# Altium PCB M5_Display.PcbDoc (part 1 of 2) (continued)
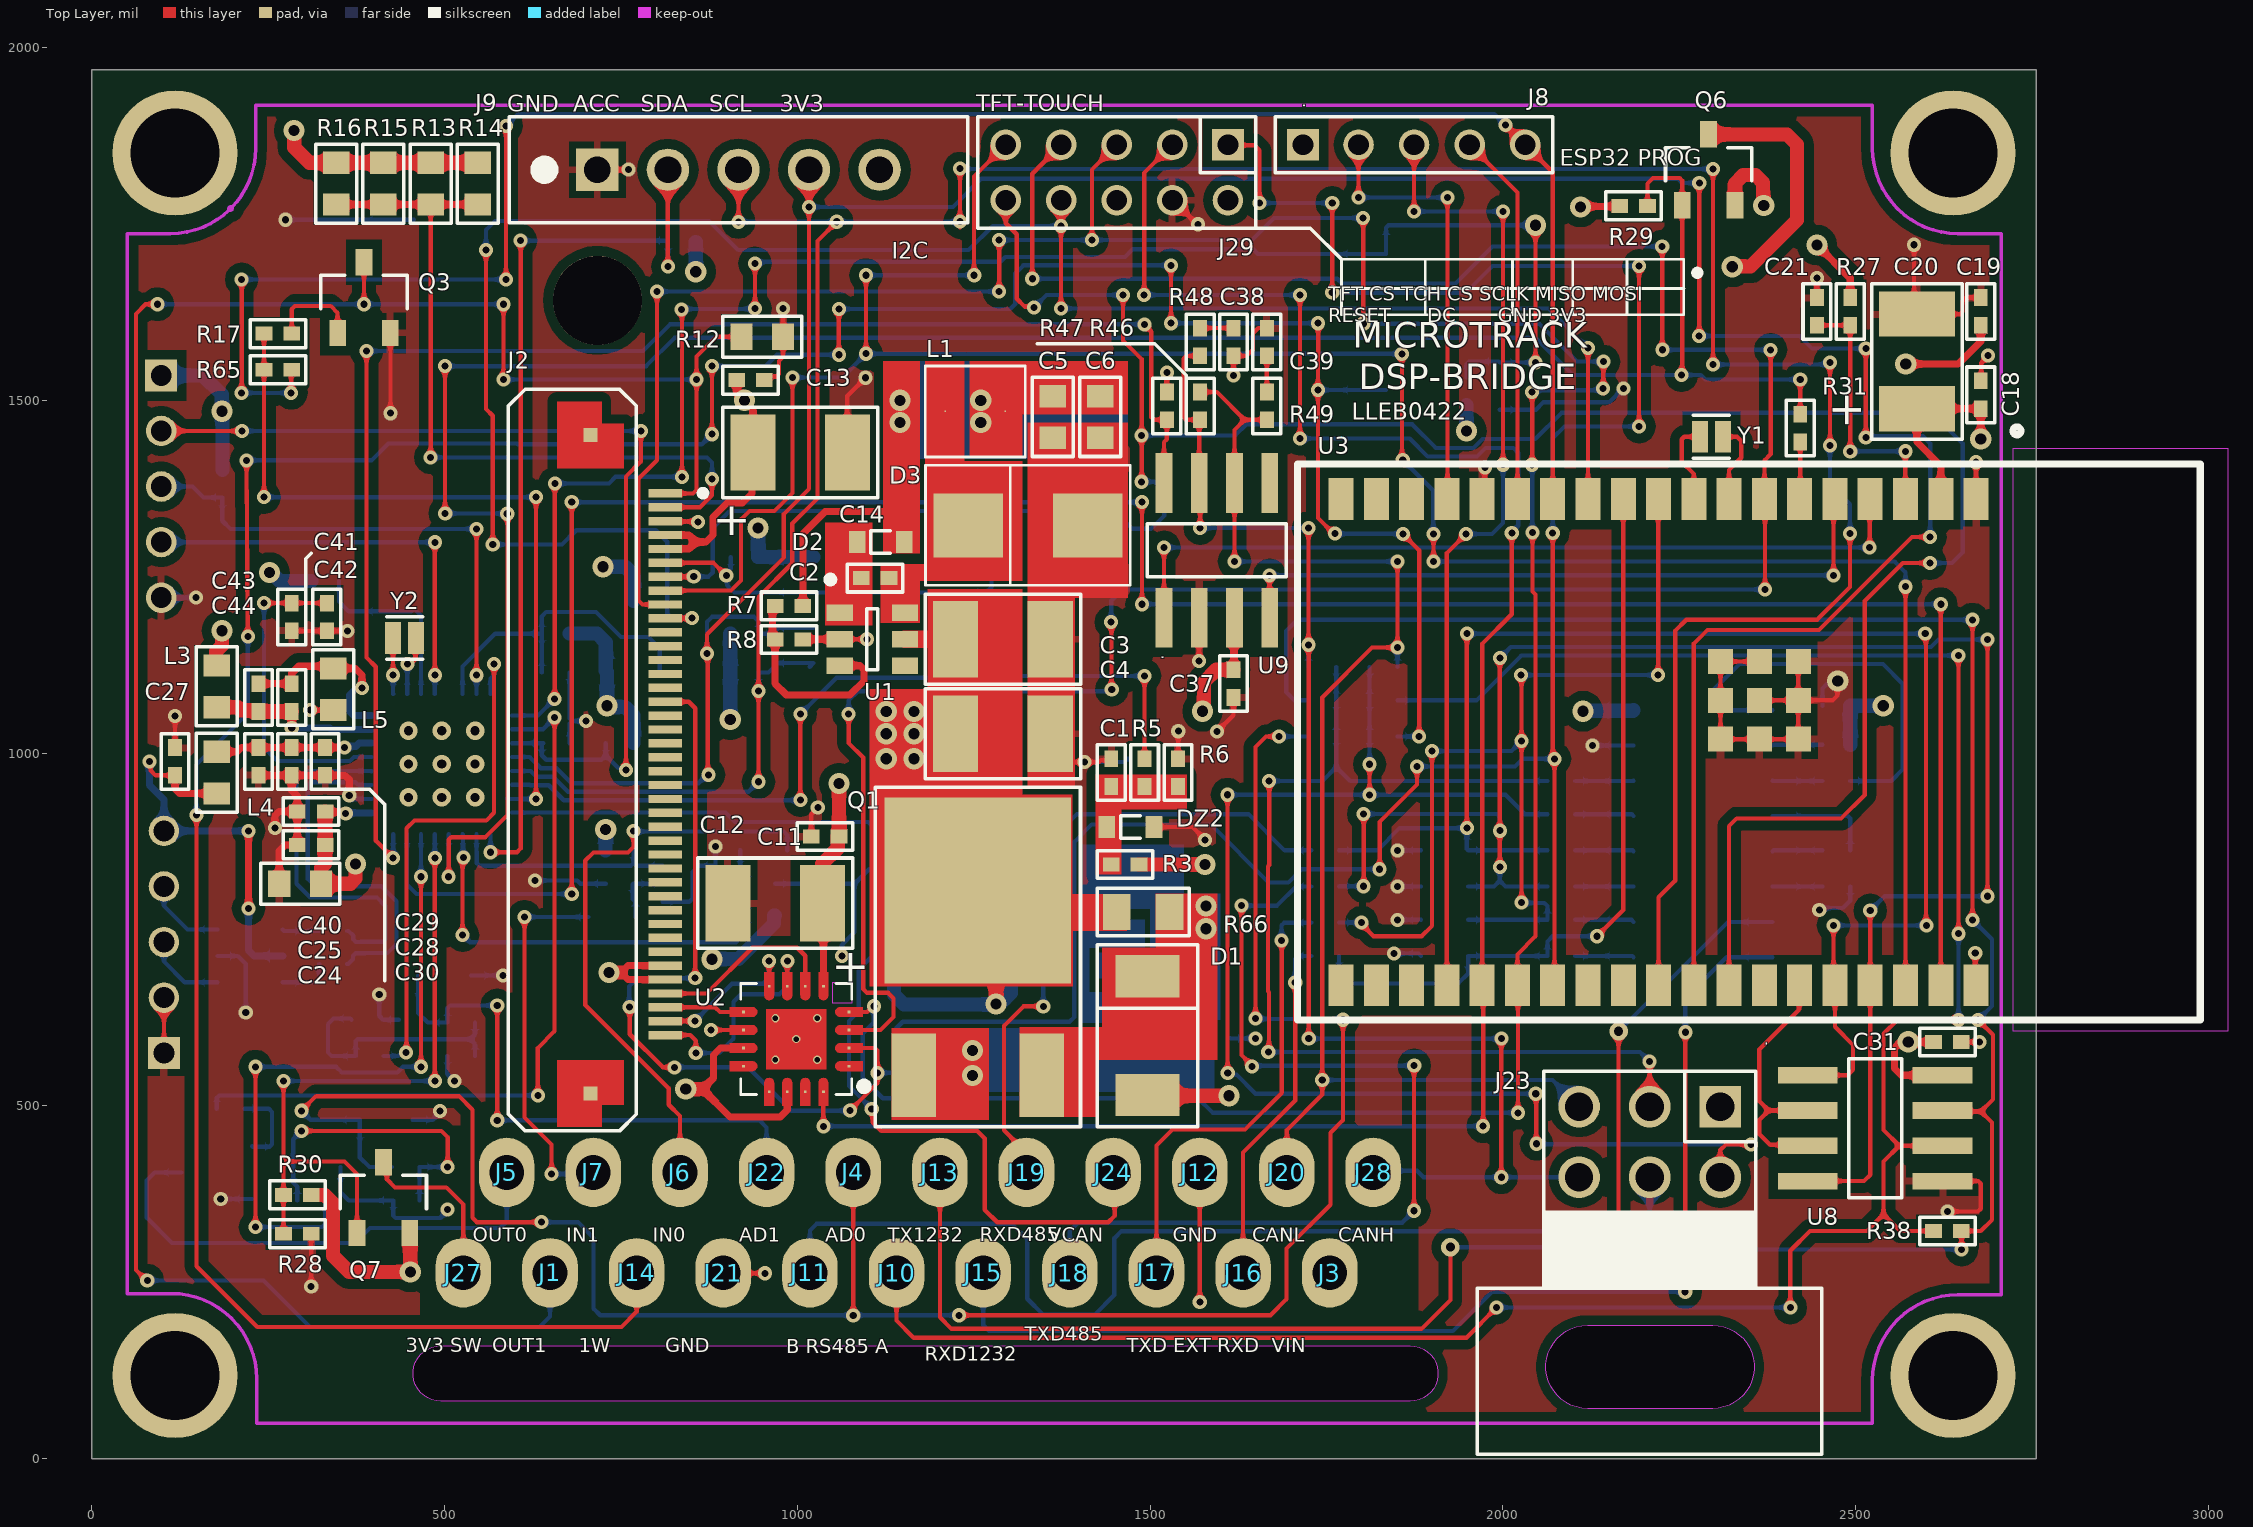
[diagram p0: Top Layer view]
## Footprints (in the part's own frame and the unit in brackets; to place one, negate y for a bottom-side part, rotate by r counter-clockwise, add the part's x,y. Pads: shape width x height; smd on the part's side, far side on the other; paste and mask are expansions set on the pad) (continued)
RGV [mm]
  rect 0.1x0.1 smd: 1(0.975,1.9) 2(0.325,1.9) 3(-0.325,1.9) 4(-0.975,1.9) 5(-1.9,0.975) 6(-1.9,0.325) 7(-1.9,-0.325) 8(-1.9,-0.975) 9(-0.975,-1.9) 10(-0.325,-1.9) 11(0.325,-1.9) 12(0.975,-1.9) 13(1.9,-0.975) 14(1.9,-0.325) 15(1.9,0.325) 16(1.9,0.975)
  Top Layer region: -1.15,-2.4 -1.15,-1.575 -1.137,-1.508 -1.099,-1.451 -1.042,-1.413 -0.975,-1.4 -0.975,-1.4 -0.908,-1.413 -0.851,-1.451 -0.813,-1.508 -0.8,-1.575 -0.8,-1.575 -0.8,-2.4
  Top Layer region: -0.5,-2.4 -0.5,-1.575 -0.487,-1.508 -0.449,-1.451 -0.392,-1.413 -0.325,-1.4 -0.325,-1.4 -0.258,-1.413 -0.201,-1.451 -0.163,-1.508 -0.15,-1.575 -0.15,-1.575 -0.15,-2.4
  Top Layer region: 0.5,-2.4 0.5,-1.575 0.487,-1.508 0.449,-1.451 0.392,-1.413 0.325,-1.4 0.325,-1.4 0.258,-1.413 0.201,-1.451 0.163,-1.508 0.15,-1.575 0.15,-1.575 0.15,-2.4
  Top Layer region: 1.15,-2.4 1.15,-1.575 1.137,-1.508 1.099,-1.451 1.042,-1.413 0.975,-1.4 0.975,-1.4 0.908,-1.413 0.851,-1.451 0.813,-1.508 0.8,-1.575 0.8,-1.575 0.8,-2.4
  Top Layer region: -1.15,2.4 -1.15,1.575 -1.137,1.508 -1.099,1.451 -1.042,1.413 -0.975,1.4 -0.975,1.4 -0.908,1.413 -0.851,1.451 -0.813,1.508 -0.8,1.575 -0.8,1.575 -0.8,2.4
  Top Layer region: -0.5,2.4 -0.5,1.575 -0.487,1.508 -0.449,1.451 -0.392,1.413 -0.325,1.4 -0.325,1.4 -0.258,1.413 -0.201,1.451 -0.163,1.508 -0.15,1.575 -0.15,1.575 -0.15,2.4
  Top Layer region: 0.5,2.4 0.5,1.575 0.487,1.508 0.449,1.451 0.392,1.413 0.325,1.4 0.325,1.4 0.258,1.413 0.201,1.451 0.163,1.508 0.15,1.575 0.15,1.575 0.15,2.4
  Top Layer region: 1.15,2.4 1.15,1.575 1.137,1.508 1.099,1.451 1.042,1.413 0.975,1.4 0.975,1.4 0.908,1.413 0.851,1.451 0.813,1.508 0.8,1.575 0.8,1.575 0.8,2.4
  Top Layer region: -2.4,-1.15 -1.575,-1.15 -1.508,-1.137 -1.451,-1.099 -1.413,-1.042 -1.4,-0.975 -1.4,-0.975 -1.413,-0.908 -1.451,-0.851 -1.508,-0.813 -1.575,-0.8 -1.575,-0.8 -2.4,-0.8
  Top Layer region: -2.4,-0.5 -1.575,-0.5 -1.508,-0.487 -1.451,-0.449 -1.413,-0.392 -1.4,-0.325 -1.4,-0.325 -1.413,-0.258 -1.451,-0.201 -1.508,-0.163 -1.575,-0.15 -1.575,-0.15 -2.4,-0.15
  Top Layer region: -2.4,0.5 -1.575,0.5 -1.508,0.487 -1.451,0.449 -1.413,0.392 -1.4,0.325 -1.4,0.325 -1.413,0.258 -1.451,0.201 -1.508,0.163 -1.575,0.15 -1.575,0.15 -2.4,0.15
  Top Layer region: -2.4,1.15 -1.575,1.15 -1.508,1.137 -1.451,1.099 -1.413,1.042 -1.4,0.975 -1.4,0.975 -1.413,0.908 -1.451,0.851 -1.508,0.813 -1.575,0.8 -1.575,0.8 -2.4,0.8
  Top Layer region: 2.4,1.15 1.575,1.15 1.508,1.137 1.451,1.099 1.413,1.042 1.4,0.975 1.4,0.975 1.413,0.908 1.451,0.851 1.508,0.813 1.575,0.8 1.575,0.8 2.4,0.8
  Top Layer region: 2.4,0.5 1.575,0.5 1.508,0.487 1.451,0.449 1.413,0.392 1.4,0.325 1.4,0.325 1.413,0.258 1.451,0.201 1.508,0.163 1.575,0.15 1.575,0.15 2.4,0.15
  Top Layer region: 2.4,-0.5 1.575,-0.5 1.508,-0.487 1.451,-0.449 1.413,-0.392 1.4,-0.325 1.4,-0.325 1.413,-0.258 1.451,-0.201 1.508,-0.163 1.575,-0.15 1.575,-0.15 2.4,-0.15
  Top Layer region: 2.4,-1.15 1.575,-1.15 1.508,-1.137 1.451,-1.099 1.413,-1.042 1.4,-0.975 1.4,-0.975 1.413,-0.908 1.451,-0.851 1.508,-0.813 1.575,-0.8 1.575,-0.8 2.4,-0.8
  Top Layer region: -1.08,1.08 1.08,1.08 1.08,-1.08 -1.08,-1.08
  Keep-Out Layer region: -2.02,1.3 -1.3,1.3 -1.3,2.02 -2.02,2.02
  silkscreen extent -2,-2 2,2.57, body extent -2,-2 2,2, height 1
SIP3_2_90 [mm]
  rect 1.5x1.5 hole 1.016: 1(5.08,2.54)
  round 1.5 hole 1.016: 2(5.08,0) 3(2.54,2.54) 4(2.54,0) 5(0,2.54) 6(0,0)
  silkscreen extent -3.66,-9.97 8.74,3.81, body extent -1.27,-9.91 6.35,2.97, height 5.1
SIP5 [mil]
  rect 60x60 hole 38: 1(0,0)
  round 60 hole 38: 2(100,0) 3(200,0) 4(300,0) 5(400,0)
  silkscreen extent -125,-75 525,75, body extent -50,-50 450,50, height 330
SIP5_2_MM [mm]
  rect 1.15x1.15 hole 0.75: 1(0,0)
  round 1.1 hole 0.75: 2(0,2) 3(2,0) 4(2,2) 5(4,0) 6(4,2) 7(6,0) 8(6,2) 9(8,0) 10(8,2)
  silkscreen extent -1,-1 9,3, body extent -1.01,-0.99 8.99,2.96, height 6
SIP5_MM [mm]
  rect 1.15x1.15 hole 0.75: 1(0,0)
  round 1.1 hole 0.75: 2(2,0) 3(4,0) 4(6,0) 5(8,0)
  silkscreen extent -1,-1 9,1, body extent -0.96,-1.01 8.93,0.99, height 6
SMB [mm]
  rect 2.5x2.3 smd: 1(-2.15,0) 2(2.15,0)
  silkscreen extent -3.68,-2.16 3.68,2.16, body extent -2.8,-1.97 2.8,1.97, height 2.45
SMBK [mm]
  rect 1.52x2.3 smd: 1(0,0) 2(4.27,0)
  silkscreen extent -1.14,-1.81 5.41,1.81, body extent -0.56,-1.8 4.84,1.8, height 2.3
SO8 [mm]
  rect 2.15x0.6 smd: 1(-2.425,1.905) 2(-2.425,0.635) 3(-2.425,-0.635) 4(-2.425,-1.905) 5(2.425,-1.905) 6(2.425,-0.635) 7(2.425,0.635) 8(2.425,1.905)
  silkscreen extent -0.95,-2.5 0.95,2.5, body extent -3.01,-2.51 3.01,2.49, height 1.75
SOD523 [mm]
  rect 0.6x0.8 smd: 1(-0.85,0) 2(0.85,0)
  silkscreen extent -0.35,-0.4 0.35,0.4, body extent -0.91,-0.42 0.92,0.43, height 0.71
SOIC16N [mm]
  rect 1.75x0.6 smd: 1(-2.5,4.445) 2(-2.5,3.175) 3(-2.5,1.905) 4(-2.5,0.635) 5(-2.5,-0.635) 6(-2.5,-1.905) 7(-2.5,-3.175) 8(-2.5,-4.445) 9(2.5,-4.445) 10(2.5,-3.175) 11(2.5,-1.905) 12(2.5,-0.635) 13(2.5,0.635) 14(2.5,1.905) 15(2.5,3.175) 16(2.5,4.445)
  silkscreen extent -1.23,-5.2 1.22,5.2, body extent -2.92,-4.9 2.88,4.9, height 1.75
SOT23 [mm]
  rect 0.6x0.95 smd: 1(-0.95,-1.275) 2(0,1.275) 3(0.95,-1.275)
  silkscreen extent -1.55,-0.4 1.55,0.8, body extent -1.48,-1.53 1.52,1.61, height 1
SOT23-6 [mm]
  rect 0.6x0.95 smd: 1(-0.95,-1.175) 2(0,-1.175) 3(0.95,-1.175) 4(0.95,1.175) 5(0,1.175) 6(-0.95,1.175)
  silkscreen extent -1.1,-0.2 1.1,0.2, body extent -1.52,-1.52 1.53,1.48, height 1.3
SOT363 [mm]
  rect 0.42x0.6 smd mask+0.051: 1(-0.65,-0.95) 2(0,-0.95) 3(0.65,-0.95) 4(0.65,0.95) 5(0,0.95) 6(-0.65,0.95)
  silkscreen extent -0.87,-0.2 0.87,0.2, body extent -1.04,-1.15 1.06,1.15, height 1
WROVER-E [mm] "WROVER-E"
  rect 1.5x0.9 smd: 1(-8.75,11.43) 2(-8.75,10.16) 3(-8.75,8.89) 4(-8.75,7.62) 5(-8.75,6.35) 6(-8.75,5.08) 7(-8.75,3.81) 8(-8.75,2.54) 9(-8.75,1.27) 10(-8.75,0) 11(-8.75,-1.27) 12(-8.75,-2.54) 13(-8.75,-3.81) 14(-8.75,-5.08) 15(-8.75,-6.35) 16(-8.75,-7.62) 17(-8.75,-8.89) 18(-8.75,-10.16) 19(-8.75,-11.43) 20(8.75,-11.43) 21(8.75,-10.16) 22(8.75,-8.89) 23(8.75,-7.62) 24(8.75,-6.35) 25(8.75,-5.08) 26(8.75,-3.81) 27(8.75,-2.54) 28(8.75,-1.27) 29(8.75,0) 30(8.75,1.27) 31(8.75,2.54) 32(8.75,3.81) 33(8.75,5.08) 34(8.75,6.35) 35(8.75,7.62) 36(8.75,8.89) 37(8.75,10.16) 38(8.75,11.43)
  rect 0.9x0.9 smd: 1(-2.9,5.03) 1(-2.9,3.63) 1(-2.9,2.23) 1(-1.5,5.03) 1(-1.5,3.63) 1(-1.5,2.23) 1(-0.1,5.03) 1(-0.1,3.63) 1(-0.1,2.23)
  silkscreen extent -11.34,-13 10,19.5, body extent -9,-12.53 9,18.87, height 3.65

## Part data
BAT1: library part BAT_CR1025SM_HORIZONTAL_SOLDABLE, "BATTERY LITHIUM 3V COIN 10MM"
C1 C16 C17 C18 C26 C27 C31 C32 C33 C34 C35 C36 C37 C40 C41 C44 C45: library part CAP0402_100nF_50V_X7R, "CAP0402 100nF 50V X7R"
C2: library part CAP0402_0.1uF_16V_X5R, "CAP CER 0.1UF 16V 10% X7R 0402"
C3 C4: library part CAP1210_10uF_63V_X7R, "CAP CER 10UF 63V X7R 1210"
C5 C6: library part CAP0603_10uF_10V_X7R, "CAP0603 10uF 10V X7R"
C7 C11 C13 C15 C19 C21: library part CAP0402_1uF_6V3_X7R, "CAP0402 1uF 6V3 X7R"
C12 C14 C20: library part CAP_TAN_100uF_10V_1210, "CAP TANT 100UF 10V 20% 1210"
C24: library part CAP0603_10uF_6.3V_Y5V, "CAP0603 10uF 6.3V Y5V"
C25: library part CAP0402_1uF_6V3_X5R, "CAP0402 1uF 6V3 X5R"
C28: library part CAP0402_8.2pF_NP0, "CAP0402 8.2pF 50V NP0"
C29: library part CAP0402_27pF_NP0, "CAP0402 27pF 50V NP0"
C30: library part CAP0402_33pF_NP0, "CAP CER 33PF 50V 5% NP0 0402"
C38 C39: library part CAP0402_560pF_NP0, "CAP0402 560pF 50V NP0"
C42: library part CAP0402_2.2uF_6V3_X5R, "CAP0402 2.2uF 6V3 X5R"
C43: library part CAP0402_10nF_X7R, "CAP0402 10nF 50V X7R"
D1: library part DIO_STKY_STPS3L60U, "DIODE SCHOTTKY 3A 60V SMB"
D2: library part 1N4148_SOD523, "DIODE SWITCHING 80V 125MA SOD523"
D3: library part DIO_STKY_B1100_SMB, "DIODE SCHOTTKY 100V 1A SMB"
D5: library part USBLC6-2_SOT23-6, "VERY LOW CAPACITANCE ESD 2 LINES PROTECTION"
DZ1: library part DIO_ZEN_30V_DO-214AC, "DIODE ZENER 30V 2W DO214AC"
DZ2 DZ3 DZ4 DZ7 DZ8 DZ9 DZ10 DZ11: library part DIO_ZEN_3V6_SOD523, "DIODE ZENER 3.6V 150MW SSMINI2 SOD523"
DZ5 DZ6: library part DIO_ZEN_5V1_200mW_SOD523, "DIODE ZENER 5.1V 200MW SOD523F"
J1 J3 J4 J5 J6 J7 J10 J11 J12 J13 J14 J15 J16 J17 J18 J19 J20 J21 J22 J24 J27 J28: library part PIN_1_CABLE_1mm, "PIN PARA SOLDAR CABLE 1MM"
J2: library part FPC_40POS__BOT_0.5MM_AMPH, "CONN FPC BOTTOM 40POS 0.5MM"
J8 J25 J26: library part HEADER_5POS_2MM, "PIN HEADER 2.00mm 5POS"
J9: "TIRA DE PINES 1X5 0.1\""
J23: "TIRA PINES MACHO 2X3 0,1'' 90º"
J29: library part HEADER_2x5POS_2MM, "TIRA DE PINES 2X5 2MM"
L1: library part IND_PWR_15uH, "FIXED IND 15UH 590MA 700MOHM SMD"
L3 L5: library part IND0603_100@100MHz, "FERRITE CHIP 100 OHM 1A 0603"
L4: library part IND0603_100_2A@100MHz, "FERRITE CHIP 100 OHM 2A 0603"
Q1: library part IRFR9220_DPAK, "MOSFET P-CH 200V 3.6A DPAK"
Q2: library part BC807_SOT23, "TRANSISTOR PNP 500MA 45V SOT323"
Q3 Q4 Q9: library part FDN337N_SOT23, "MOSFET N-CH 30V 2.2A SSOT3"
Q5: library part DDC115EU-7-F_SOT363, "TRANS BRT NPN DUAL 50V SOT-363 Rb=100K Rbe=100K"
Q6 Q7 Q8 Q10: library part FDN360P_SOT23, "MOSFET P 30V 2A SSOT3"
R1: library part RES0402_10K_5%, "RES0402 10K 5%"
R2 R24 R25 R63 R64: library part RES0402_4K7_5%, "RES0402 4K7 5%"
R3 R52 R55: library part RES0402_100K_1%, "RES0402 100K 1%"
R4 R29 R30 R32 R62: library part RES0402_100K_5%, "RES0402 100K 5%"
R5 R10 R21 R27: library part RES0402_1K_5%, "RES0402 1K 5%"
R6 R8 R9 R17 R20 R23 R26 R33 R34 R57: library part RES0402_10K_1%, "RES0402 10K 1%"
R7: library part RES0402_31K6_1%, "RES0402 31K6 1%"
R11 R22: library part RES0805_DNP, "RES0805 DNP"
R12 R13 R14 R15 R16: library part RES0603_10R_5%, "RES0603 10R 5%"
R18: library part RES0402_5K6_1%, "RES0402 5K6 1%"
R19: library part RES2010_470R_1W_5%, "RES2010 470R 1W 5%"
R28 R31 R35 R36 R61 R65: library part RES0402_33R_5%, "RES0402 33R 5%"
R37 R38 R39 R40 R41 R42 R43 R44 R45 R47 R48 R49 R50 R51 R53 R54 R56 R58 R59 R60: library part RES0402_100R_5%, "RES0402 100R 5%"
R46: library part RES0402_120R_5%, "RES0402 120R 5%"
R66: library part RES0805_0R_5%, "RES0805 0R 5%"
U1: library part MCP16331_SOT23-6, "IC REG BUCK ADJ 500MA SOT23-6"
U2: library part TSC2046_QFN16EP, "IC SCREEN CNTRL 12BIT 16QFN"
U3: "RX TXRX MOD WIFI PCB TRACE SMD"
U4: "IC MCU 32BIT 128KB FLASH 32QFN"
U5: library part FM24CL64B_SO8, "IC FRAM 64KBIT 1MHZ SRL 8SOIC"
U7: library part ST3232_SOIC16N, "IC DRVR/RCVR RS232 ESD 16-SOIC"
U8: library part ST3485_SO8, "IC TXRX 3.3V RS485/422 8 SOIC"
U9: library part SN65HVD231_SO8, "IC CAN TRANSCEIVER W/ SLEEP MODE 3.3V 8-SOIC"
Y1 Y2: library part XTAL_32768_XC2282CT, "CRYSTAL 32.768KHZ 12.5PF SMD"

## Free pads (board coordinates)
  round 177.17 hole 125.98: 0(118.11,118.11) 0(118.11,1850.39) 0(2637.8,118.11) 0(2637.8,1850.39)
  round 125.98 hole 125.98: 0(716.54,1641.73)

## Via types
v1: diameter 20, hole 10, Top Layer to Bottom Layer, tented both sides, 313 vias
v2: diameter 30, hole 15.8, Top Layer to Bottom Layer, tented both sides, 47 vias
v3: diameter 25.98, hole 12.99, Top Layer to Bottom Layer, tented both sides, 9 vias
v4: diameter 11.81, hole 7.87, Top Layer to Bottom Layer, tented both sides, 5 vias
v5: diameter 26, hole 13, Top Layer to Bottom Layer, tented both sides, 3 vias

## Nets (pads, with @x,y where several pads share a name; then routed paths per layer and width w, separated by ;. In a path a pad name is that pad's centre, name@x,y a point inside that pad or via, vN(x,y) a via of type N, cw(c..) or ccw(c..) an arc to the next point about the centre after c; other vN are vias at no path point)
1WP: J14.1 R19.2 R54.2 | length 4563.4
  Top Layer w6: v1(148.47,912.49) 148.47,272.79 234.52,186.74 750.72,186.74 772.26,208.27 J14.1@772.26,263.58 J14.1@772.26,264.82 ; v1(219.41,1414.93) v1(221.25,1165.5) ; v1(878.86,1451.98) v1(878.86,1548.5) ; v1(1058.8,1564.58) v1(1058.8,1629.28) ; v1(1529.32,1691.28) 1529.43,1691.17 1529.43,1609.39 v1(1529.54,1609.27) ; v1(1738.08,1609.27) 1738.08,1565.39 1737.68,1564.99 v1(1737.68,1514.63) 1737.68,1333.06 1759.52,1311.21 v1(1761.96,1311.21) ; v1(1858.48,1310.34) 1881.22,1287.6 v1(1881.22,1023.62)
  Bottom Layer w6: v1(148.47,912.49) 148.47,984.04 221.25,1056.82 v1(221.25,1165.5) ; v1(219.41,1414.93) 396.46,1414.93 420.21,1438.68 602.57,1438.68 603.65,1437.61 864.49,1437.61 v1(878.86,1451.98) ; v1(878.86,1548.5) 955.14,1548.5 971.22,1564.58 v1(1058.8,1564.58) v1@1058.89,1564.58 ; v1(1058.8,1629.28) 1301.75,1629.28 1308.89,1636.42 1308.89,1679.9 1320.27,1691.28 v1(1529.32,1691.28) ; v1(1529.54,1609.27) v1(1738.08,1609.27) ; v1(1737.68,1514.63) R19.2@1834.41,1514.63 ; v1(1761.96,1311.21) 1762.39,1310.78 1858.04,1310.78 v1(1858.48,1310.34) ; R54.2@1850.39,1023.62 v1(1881.22,1023.62)
3V3: C5.1 C6.1 C11.1 C12.1 C13.1 C14.1 C24.1 C25.1 C26.2 C40.1 D2.1 J2.4 J2.5 J2.35 J2.36 J26.1 J29.2 L1.2 L3.2 Q6.3 Q7.3 Q10.3 R7.2 R13.1 R14.1 R15.1 R16.1 R29.2 R30.2 R32.2 R33.2 R34.2 R63.2 R64.2 U2.5 U2.11 U2.14 U4.1 U5.8 | length 9100.5
  Top Layer w10: C40.1@330.71,917.32 331.69,916.34 355.11,916.34 357.23,914.22 v1(359.94,914.22) ; 749.95,689.28 753.98,689.28 754.29,688.98 ; J2.36@812.99,679.13 760.15,679.13 754.29,684.99 754.29,688.98 ; J2.35@812.99,698.82 760.15,698.82 754.29,692.96 754.29,688.98 ; J2.5@812.99,1289.37 846.46,1289.37 856.3,1299.21 ; J2.4@812.99,1309.05 846.46,1309.05 856.3,1299.21 ; 857.72,523.93 865.42,523.93 ; C13.1@913.9,1528.54 913.9,1509.44 937.22,1486.12 937.22,1429.1 935.93,1427.82 935.93,1367.99 922.49,1354.54 900.27,1354.54 880.34,1334.61 880.34,1308.95 870.6,1299.21 856.3,1299.21 ; U2.11@923.67,582 891.14,582 881.34,572.21 881.34,539.86 865.42,523.93 ; U2.14@985.67,519.99 985.67,494.4 975.83,484.56 904.79,484.56 865.42,523.93 ; R7.2@1007.87,1208.66 1007.87,1310.83 1039.56,1342.52 1129.92,1342.52 ; C12.1@1034.89,788.02 C12.1@1035.5,787.4 1036.85,786.05 U2.5@1036.85,669.6 ; v2(2109.69,1774.2) 2110.38,1774.9 2164.66,1774.9 R29.2@2165.35,1775.59 ; Q6.3@2328.74,1776.57 Q6.3@2329.42,1775.9
  Top Layer w20: L3.2@177.17,1124.02 176.08,1125.11 176.08,1143.91 184.49,1152.32 v2(184.49,1173.54) ; v2(286.85,1882.2) 286.85,1858.58 308.82,1836.61 R16.1@346.46,1836.61 R15.1@413.39,1836.61 R13.1@480.31,1836.61 R14.1@547.24,1836.61 ; R30.2@311.02,374.02 330.26,374.02 341.97,362.3 341.97,287.71 364.88,264.8 v2(451.5,264.8) 451.5,319.17 Q7.3@450.79,319.88 ; C24.1@324.8,812.68 324.8,837.29 330.71,843.2 C25.1@330.71,870.08 C40.1@330.71,917.32 ; C24.1@324.8,814.96 366.52,814.96 373.69,822.13 v2(373.69,842.99) ; v2(733.05,689.2) 732.97,689.28 749.95,689.28 ; v2(841.79,523.93) 865.42,523.93 ; C12.1@1034.89,788.02 1034.89,842.83 1057.24,865.18 1057.24,881.73 1057.4,881.89 C11.1@1059.06,881.89 v2(1059.06,957) ; Q6.3@2328.74,1776.57 2328.74,1807.49 2340.46,1819.2 2357.82,1819.2 2368.74,1808.28 2368.74,1776.69 v2(2369.53,1775.9)
  PWRS w20: v2(286.85,1882.2) 487.64,1882.2 530.95,1838.89 530.95,1631.91 ; v2(373.69,842.99) 196.21,842.99 184.49,854.71 v2(184.49,1173.54) v2(184.49,1484.56) 383.6,1484.56 530.95,1631.91 ; 392.72,841.08 451.5,782.3 536.7,782.3 ; v2(451.5,264.8) 451.5,412.45 618.53,579.48 684.06,579.48 739.61,523.93 v2(841.79,523.93) ; v2(730.31,1067.24) 730.31,1004.44 ; 733.05,530.49 v2(733.05,689.2) 629.79,689.2 536.7,782.3 ; v2(944.33,1319.2) 944.33,1208.5 904.96,1169.13 v2(904.96,1047.55) 904.96,1004.44 ; v2(1059.06,957) 1059.06,992.72 1047.34,1004.44 904.96,1004.44 ; v2(1145.67,1500) 662.85,1500 530.95,1631.91 ; v2(1259.84,1500) 1369.22,1500 1439.4,1570.18 1553.82,1570.18 1607.36,1623.72 1607.36,1694.36 ; 1607.36,1693.22 2058.51,1693.22 2109.69,1744.4 v2(2109.69,1774.2) 2111.38,1775.9 v2(2369.53,1775.9) ; 1610.24,1693.22 J29.2@1610.24,1783.46 ; 536.7,782.3 730.31,975.91 730.31,1004.44 ; 730.31,1004.44 904.96,1004.44
  Bottom Layer w10: v1(359.94,914.22) 361,915.28 396.57,915.28 U4.1@396.65,915.35
  Bottom Layer w20: J26.1@98.43,1535.35 157.33,1535.35 184.49,1508.18 v2(184.49,1484.56) ; R63.2@185.04,1401.57 v2@185.04,1484.01 ; R32.2@677.17,1169.29 716.08,1169.29 728.5,1156.87 728.5,1116.97 Q10.3@730.31,1115.16 v2(730.31,1067.24) 732.23,1065.32 756,1065.32 767.72,1053.61 R64.2@767.72,1014.1 ; v2(904.96,1047.55) 904.96,1169.13 905.12,1169.29 R33.2@905.51,1169.29 ; v2(944.33,1319.2) 944.33,1277.85 944.49,1277.69 C26.2@944.88,1277.69 U5.8@1022.64,1277.69
  other v2: 1145.67,1468.5 1259.84,1468.5 925.2,1500
3V3_ESP: C18.2 C19.1 C20.1 J8.1 J9.5 Q10.2 R26.2 R27.2 R62.1 U3.2 | length 5823.2
  Top Layer w10: v2(2444.98,1720.13) 2492.13,1672.99 R27.2@2492.13,1645.67 ; v2(2570.87,1551.49) 2645.12,1551.49 2677.17,1583.53 C19.1@2677.17,1606.3 ; U3.2@2620.47,1360.24 2620.47,1407.09 2586.61,1440.94 C20.1@2586.61,1488.12 2586.69,1488.19 C18.2@2677.17,1488.19 v2(2677.17,1445.19)
  PWRS w20: v2(251.97,1255.91) 713.63,1255.91 721.82,1264.09 v2(724.52,1264.09) 724.52,1382.86 759.3,1417.63 1200.24,1417.63 ; v2(855.96,1682.26) 855.96,1710.73 826.22,1740.46 653,1740.46 637.25,1756.21 637.25,1866.54 648.96,1878.26 1097.17,1878.26 1108.88,1866.54 1108.88,1834.43 J9.5@1116.54,1826.77 1200.24,1743.07 1200.24,1417.63 ; J8.1@1716.54,1862.2 1716.54,1830.92 1728.25,1819.2 2090,1819.2 2128.1,1857.3 2398.37,1857.3 2444.33,1811.33 v2@2444.33,1720.78 ; v2(2677.17,1445.19) v2(2570.87,1551.49) 2570.87,1594.25 v2(2444.98,1720.13) 2357.72,1720.13 2343.03,1734.82 2300.89,1734.82 2267.17,1701.09 2267.17,1618.32 2255.45,1606.61 1942.07,1606.61 1753.09,1417.63 1200.24,1417.63
  Bottom Layer w20: v2(251.97,1255.91) 254.67,1255.91 266.49,1244.09 R62.1@311.02,1244.09 ; v2(724.52,1264.09) 756,1264.09 767.72,1252.37 Q10.2@767.72,1215.55 ; v2@855.93,1682.29 R26.2@855.93,1724.38
3V3_PERI: C31.1 C32.2 C33.1 C37.1 Q6.2 R18.2 R24.1 R25.1 U7.16 U8.8 U9.3 | length 5314.5
  Top Layer w10: C37.1@1618.11,1118.11 1618.8,1118.8 1618.8,1191.24 U9.3@1619.49,1191.93 ; C31.1@2610.24,590.55 2562.99,590.55 2555.12,582.68 2555.12,553.1 2564.72,543.5 U8.8@2623.03,543.5
  Top Layer w20: v2(1574.26,1059.36) 1576.17,1061.28 1576.17,1100.65 1593.63,1118.11 C37.1@1618.11,1118.11 ; Q6.2@2291.34,1876.97 2402.32,1876.97 2416.78,1862.51 2416.78,1755.57 2351.03,1689.82 2325.49,1689.82 v2(2324.94,1689.27)
  PWRS w20: v2(728.35,891.68) 728.35,843.33 741.89,829.78 879.22,829.78 ; v2(879.22,707.88) 879.22,829.78 ; v2(1574.26,1059.36) 1573.91,1059.01 1356.36,1059.01 1315.12,1017.77 1315.12,946.06 1260.74,891.68 ; v2(1948.34,1456.43) 1946.43,1454.51 1946.43,1371.5 1959.55,1358.38 2416.78,1358.38 ; v2(2324.94,1689.27) 2324.94,1584.27 2416.78,1492.43 2416.78,1358.38 ; v2(2574.26,590.86) 2574.26,1031.8 v2(2538.82,1067.24) 2416.78,1067.24 ; 879.22,829.78 965.39,829.78 1027.29,891.68 1260.74,891.68 ; 1260.74,891.68 1538.21,891.68 1575.16,928.63 1575.16,974 1625.44,1024.27 1625.44,1059.36 v2(2113.63,1059.36) 2121.5,1067.24 2416.78,1067.24 ; 2416.78,1067.24 2416.78,1358.38
  Bottom Layer w20: R25.1@728.35,862.2 v2(728.35,891.68) ; v2(879.22,707.88) 879.55,708.21 916.58,708.21 966.69,758.33 966.69,770 966.85,770.15 R24.1@968.5,770.15 ; R18.2@1948.27,1492.98 1948.31,1492.94 1948.31,1456.46 v2(1948.34,1456.43) ; v2(2113.63,1059.36) 2114.36,1060.09 2184.31,1060.09 U7.16@2185.04,1060.83 ; C33.1@2492.13,1011.81 C32.2@2492.13,1066.93 2492.28,1067.08 2538.67,1067.08 v2(2538.82,1067.24)
3V3_SW: J27.1 Q7.2 | length 246.1
  Top Layer w6: Q7.2@413.39,420.28 418.23,415.43 418.23,396.09 429.93,384.4 502.52,384.4 526.67,360.25 J27.1@526.67,263.58
3V3_SW_ESP: Q10.1 R32.1 R35.2 U4.14 | length 474.4
  Bottom Layer w6: U4.14@525.59,1083.99 525.59,1122.94 571.94,1169.29 R32.1@637.8,1169.29 ; R35.2@637.8,1114.17 R32.1@637.8,1169.29 ; Q10.1@805.12,1115.16 805.12,1122.05 805.12,1148.42 789.01,1164.52 750.17,1164.52 714.78,1199.91 643.97,1199.91 637.8,1193.74 R32.1@637.8,1169.29
3V3_SW_MCU: Q7.1 R28.2 R30.1 U4.29 | length 974.8
  Top Layer w6: R28.2@271.65,318.9 R30.1@271.65,374.02 271.65,413.39 279.53,421.26 ; v1(271.65,535.46) 271.65,429.13 279.53,421.26 ; Q7.1@375.98,319.88 375.98,403.54 358.27,421.26 279.53,421.26 ; v1(486.22,535.46) v1(486.22,851.36)
  Bottom Layer w6: v1(271.65,535.46) v1(486.22,535.46) ; v1(486.22,851.36) U4.29@486.22,885.17
3V3_SW_PERI: Q6.1 R29.1 R31.2 U4.28 | length 3301.8
  Top Layer w6: v1(500.5,1548.4) 500.72,1548.18 v1@500.72,1336.07 ; v1(505.86,824.85) 505.86,877.4 509.38,880.92 557.81,880.92 589.15,912.26 589.15,1335.01 v1@588.88,1335.28 ; R29.1@2204.72,1775.59 2204.72,1807.09 2212.6,1814.96 2250.42,1814.96 2253.94,1811.45 Q6.1@2253.94,1776.57 v1@2253.94,1529.53 ; R31.2@2421.26,1480.31 v1(2421.26,1529.53)
  Bottom Layer w6: v1(500.5,1548.4) 785.69,1548.4 825.83,1588.54 2046.4,1588.54 2099.09,1535.85 2242.44,1535.85 ; v1@501.22,1339.5 v1@588.6,1339.5 ; v1@505.88,824.87 U4.28@505.91,885.17 ; v1@588.6,1335.57 v1@588.88,1335.28 ; v1(2252.95,1535.85) 2280.36,1535.85 2286.68,1529.53 v1(2421.26,1529.53)
  other v1: 588.88,1339.22 500.93,1339.79
ACC_ISR: J9.2 R26.1 U4.25 | length 1314.7
  Top Layer w6: v1(564.96,859.55) 602.69,859.55 607.88,864.74 607.88,1726.11 v1(607.7,1726.29) ; v1(816.4,1689.6) 816.47,1689.67 816.47,1826.71 J9.2@816.54,1826.77
  Bottom Layer w6: v1(564.96,859.55) U4.25@564.96,885.17 ; v1(607.7,1726.29) 813.08,1726.29 814.96,1724.41 R26.1@816.54,1725.98 ; v1@816.54,1689.47 R26.1@816.54,1724.41
CANH: J23.6 J28.1 R46.1 R48.2 R58.2 U9.7 | length 1963.6
  Top Layer w6: v1(1570.87,1318.9) 1570.87,1381.5 U9.7@1569.49,1382.87 1569.49,1471.06 R46.1@1570.87,1472.44 1551.18,1472.44 1547.24,1476.38 1547.24,1559.06 1551.18,1562.99 R48.2@1570.87,1562.99 ; v1(1724.41,1318.9) v1(1724.41,1153.54) 1724.58,1153.37 1724.58,595.55 v1(1724.76,595.38) ; J28.1@1815.9,405.82 J28.1@1815.94,405.86 ; v1(1997.63,398.97) 1997.67,399.02 1997.67,595.33 v1(1997.71,595.38)
  Bottom Layer w6: v1(1570.87,1318.9) v1(1724.41,1318.9) ; R58.2@1724.41,1122.05 v1(1724.41,1153.54) ; v1(1724.76,595.38) 1724.87,595.26 1997.6,595.26 v1(1997.71,595.38) ; J28.1@1815.9,405.82 1818.27,408.2 1878.1,408.2 1887.32,398.97 v1(1997.63,398.97) ; v1(1997.63,398.97) J23.6@2107.91,399 J23.6@2107.46,399.45
CANL: J20.1 J23.5 R46.2 R49.2 R51.2 U9.6 | length 1915.3
  Top Layer w6: R46.2@1570.87,1511.81 1594.49,1511.81 1633.86,1472.44 ; v1@1619.49,1267.72 v1(1619.49,1271.65) U9.6@1619.49,1382.87 1619.49,1458.07 1633.86,1472.44 ; R49.2@1669.29,1472.44 1633.86,1472.44 ; J20.1@1693.73,405.82 1693.73,465.93 1743.91,516.11 v1(1743.91,536.63) 1743.76,536.78 1743.76,704.52 1743.82,704.58 1743.82,1078.92 1814.51,1149.61 v1(1850.39,1149.61) v1(1850.39,1271.65)
  Bottom Layer w6: v1(1619.49,1271.65) v1(1850.39,1271.65) ; v1(1743.91,536.63) 2070.28,536.63 J23.5@2107.91,499 ; R51.2@1850.39,1122.05 v1(1850.39,1149.61)
GND: BAT1.2 C1.1 C3.2 C4.2 C5.2 C6.2 C7.2 C11.2 C12.2 C13.2 C14.2 C15.2 C16.2 C17.2 C18.1 C19.2 C20.2 C21.2 C24.2 C25.2 C26.1 C27.2 C28.2 C29.2 C30.2 C31.2 C32.1 C36.2 C37.2 C38.1 C39.1 C40.2 C41.1 C42.2 C45.1 D3.1 D5.2 DZ1.1 DZ2.1 DZ3.1 DZ4.1 DZ7.1 DZ8.1 DZ9.1 DZ10.1 DZ11.1 J2.3 J2.6 J9.1 J12.1 J21.1 J23.4 J25.1 J25.2 J26.5 J29.4 L5.2 pad.0@118.11,118.11 pad.0@118.11,1850.39 pad.0@2637.8,118.11 pad.0@2637.8,1850.39 Q3.3 Q4.3 Q5.1 Q5.4 Q9.3 R4.1 R6.1 R8.1 R11.1 R12.1 R22.1 R28.1 R35.1 R47.1 U1.2 U2.10 U3.1 U3.15 U3.38 U4.2 U5.1 U5.2 U5.3 U5.4 U5.7 U7.15 U8.5 U9.2 | length 6224
  Top Layer w6: J25.1@102.36,574.8 J25.2@102.36,653.54 ; C27.2@118.11,1007.87 v1(118.11,1052.52) ; C41.1@283.46,1173.23 C42.2@333.2,1173.23 v1(362.2,1173.23) ; v1(309.39,1061.03) L5.2@342.52,1061.02 ; v1(311.02,244.09) R28.1@311.02,318.9 ; v1(423.23,1481.75) Q3.3@423.23,1595.47 ; J9.1@716.54,1826.77 v1@760.4,1826.77 ; J2.6@812.99,1269.68 881.19,1269.68 v1(899.28,1251.6) ; J2.3@812.99,1328.74 813.5,1328.24 858.83,1328.24 v1(859.34,1327.73) ; v1(877.41,607.59) U2.10@923.67,607.59 ; J21.1@895.04,263.58 895.78,262.84 J21.1@897.02,262.84 ; J21.1@895.04,264.82 J21.1@897.02,262.84 ; C13.2@953.27,1528.54 958.38,1533.65 970.54,1533.65 974.06,1537.16 974.06,1555.86 979.74,1561.55 R12.1@979.74,1589.97 v1@979.74,1630.22 ; v1(954.09,262.84) J21.1@897.02,262.84 ; C11.2@1019.69,881.89 1019.69,913.44 v1(1028.97,922.72) ; U1.2@1060.04,1161.42 v1(1098.89,1161.42) ; C14.2@1071.22,1429.1 1070.74,1429.58 1070.74,1506 v1(1096.73,1531.98) ; C4.2@1358.34,1027.56 1358.34,1016.27 1387.34,987.27 v1(1406.78,987.27) 1427.91,987.27 1430.53,989.89 1442.64,989.89 C1.1@1444.88,992.13 ; DZ2.1@1505.44,895.4 1559.77,895.4 1577.62,877.54 v1(1577.62,876.76) ; R47.1@1523.62,1511.81 v1(1523.62,1539.37) ; J29.4@1531.5,1783.46 1532.6,1783.46 1566.58,1749.49 v1(1567.68,1749.49) ; R6.1@1539.37,992.13 1539.85,992.6 v1(1539.85,1031.08) ; v1(1569.24,1130.48) 1569.24,1191.68 U9.2@1569.49,1191.93 ; v1(1570.32,222.33) J12.1@1570.32,405.82 ; v1@1593.49,1032.07 v1(1594.96,1030.61) ; v1@1594.96,1027.66 v1(1594.96,1030.61) ; C37.2@1618.11,1078.74 1618.11,1053.76 v1(1594.96,1030.61) ; v1(1618.11,1535.43) C38.1@1618.11,1562.99 1636.69,1562.99 1645.77,1572.08 1645.77,1595.05 1653.08,1602.36 C39.1@1665.35,1602.36 C39.1@1669.29,1602.36 ; U3.15@1970.47,1360.24 1974.25,1364.02 v1(1974.25,1404.93) ; U3.1@2363.39,1074.8 U3.1@2418.5,1074.8 ; U3.1@2363.39,1129.92 U3.1@2308.27,1129.92 U3.1@2308.27,1074.8 U3.1@2308.27,1019.68 U3.1@2363.39,1019.68 U3.1@2418.5,1019.68 U3.1@2418.5,1074.8 ; U3.1@2418.5,1129.92 U3.1@2418.5,1074.8 ; C21.2@2444.88,1645.67 v1(2444.88,1673.23) ; v2(2474.36,1102.29) 2473.88,1101.81 2473.88,1081.81 2466.88,1074.8 U3.1@2418.5,1074.8 ; v1(2582.68,1720.47) 2582.68,1626.06 C20.2@2586.61,1622.12 2647.85,1622.12 2651.36,1625.63 2651.36,1640.44 2656.59,1645.67 C19.2@2677.17,1645.67 ; v1(2629.92,350.39) 2673.23,350.39 2677.17,354.33 2677.17,389.76 2673.43,393.5 U8.5@2623.03,393.5 U8.5@2629.92,386.61 ; C31.2@2649.61,590.55 v1(2675.41,590.55) ; U3.38@2669.29,670.08 U3.38@2670.47,671.26 2669.29,672.44 v1(2669.29,716.54) ; U3.1@2670.47,1360.24 v1(2670.47,1412.2) ; C18.1@2677.17,1527.56 2677.81,1528.2 2677.81,1552.78 2687.41,1562.38 v1(2687.41,1563.3)
  Top Layer w10: C28.2@236.22,968.5 C29.2@283.46,968.5 ; v1(259.6,893.7) 259.6,911.54 265.46,917.4 C40.2@291.27,917.4 ; C24.2@265.75,814.96 265.75,861.09 274.74,870.08 C25.2@291.34,870.08 C40.2@291.34,917.32 C40.2@291.27,917.4 ; v1(364.92,939.73) 364.92,962.65 359.06,968.5 C30.2@330.71,968.5 C29.2@283.46,968.5 ; R8.1@1007.87,1161.42 U1.2@1060.04,1161.42 ; C29.2@283.46,968.5 283.46,946.85 291.27,939.05 C40.2@291.27,917.4
  Bottom Layer w6: J26.5@98.43,1220.39 v1(147.51,1220.39) ; D5.2@178.15,712.6 206.89,712.6 218.3,701.19 v1(218.3,632.25) ; v1(182.81,368.11) Q4.3@227.36,368.11 ; v1(274.86,1755.91) BAT1.2@456.69,1755.91 ; DZ4.1@352.36,413.39 352.36,377.95 364.17,366.14 C15.2@425.2,366.14 427.17,366.14 427.17,344.86 430.68,341.34 494.25,341.34 504.37,351.46 v1(504.37,353.12) ; v1(364.92,939.73) 368.71,939.73 373.4,935.04 U4.2@396.65,935.04 ; v1(407.49,658) 407.49,627.75 413.19,622.05 DZ11.1@435.04,622.05 ; R22.1@454.72,480.32 483.39,480.32 493.47,490.39 v1(493.47,492.91) ; C7.2@503.94,570.87 503.94,545.61 v1(514.09,535.46) ; R11.1@537.4,685.04 v1(582.97,685.04) ; v1(628.44,819.37) 688.13,819.37 692.53,814.96 C16.2@728.35,814.96 ; C45.1@677.17,1014.1 677.17,1042.11 680.68,1045.62 ; R35.1@677.17,1114.17 677.17,1049.14 680.68,1045.62 ; v1(700.31,1045.62) 680.68,1045.62 ; Q5.1@809.06,789.37 846.92,789.37 851.56,794.01 851.56,831.53 860.59,840.55 Q5.4@883.86,840.55 v1@883.86,871.28 ; C26.1@905.51,1277.69 905.51,1261.58 899.28,1255.34 v1(899.28,1251.6) 900.53,1250.35 900.53,1237.98 910.81,1227.69 U5.7@1022.64,1227.69 U5.2@1213.58,1227.69 1268.28,1227.69 ; C17.2@968.5,814.96 1080.94,814.96 ; v1(1063.14,712.76) 1063.14,728.5 1080.94,746.3 1080.94,814.96 ; Q9.3@1131.34,835.94 1101.92,835.94 1080.94,814.96 ; U5.4@1213.58,1127.69 1268.28,1127.69 1275.05,1134.47 1275.05,1170.92 1268.28,1177.69 ; U5.3@1213.58,1177.69 1268.28,1177.69 ; U5.1@1213.58,1277.69 1268.28,1277.69 1275.05,1270.92 1275.05,1234.47 1268.28,1227.69 ; v1(1406.78,987.27) 1463.64,987.27 DZ1.1@1468.5,992.13 DZ1.1@1470.43,990.2 ; R4.1@1613.57,596.37 1614.23,595.71 v1(1649.26,595.71) ; v1(1845.47,716.13) 1880.33,716.13 DZ9.1@1883.86,712.6 ; v1(1850.39,763.78) DZ10.1@1883.86,763.78 ; v1(1850.39,811.02) DZ8.1@1883.86,811.02 ; v1(1850.39,862.2) DZ7.1@1883.86,862.2 ; DZ3.1@1995.52,1486.61 2046.62,1486.61 2057.38,1497.37 2151.22,1497.37 v1(2170.7,1516.85) ; v1(2126.97,1010.83) U7.15@2185.04,1010.83 ; J23.4@2207.91,399 v1(2207.91,331.46) v1@2208.66,330.71 ; v1(2448.29,777.73) 2450.97,780.41 2481.57,780.41 2492.13,790.96 C36.2@2492.13,811.02 ; C32.1@2452.76,1066.93 2452.76,1091.78 2458.67,1097.7 2469.77,1097.7 v2(2474.36,1102.29) ; 1268.28,1177.69 1275.05,1184.47 1275.05,1220.92 1268.28,1227.69
  other v1: 883.96,867.44 979.61,1630.22 760.69,1827.06
GPIO_ISR: U3.37 U4.31 | length 3494.4
  Top Layer w6: v1(680.26,800.37) v1(680.26,1355.65) ; v1@1488.27,1214.32 v1@1488.27,1355.25 ; U3.37@2620.47,671.26 v1(2620.47,1211.04) v1@2620.47,1216.03
  Bottom Layer w6: U4.31@446.85,885.17 446.85,813.85 460.33,800.37 v1(680.26,800.37) ; v1(680.26,1355.65) v1(1488.27,1355.65) ; v1@1485.39,1214.97 v1@1488.27,1214.97 ; v1(1488.27,1211.04) v1(2620.47,1211.04)